# Altium PCB Computer_Board_Mockup.PcbDoc (part 3 of 5) (continued)
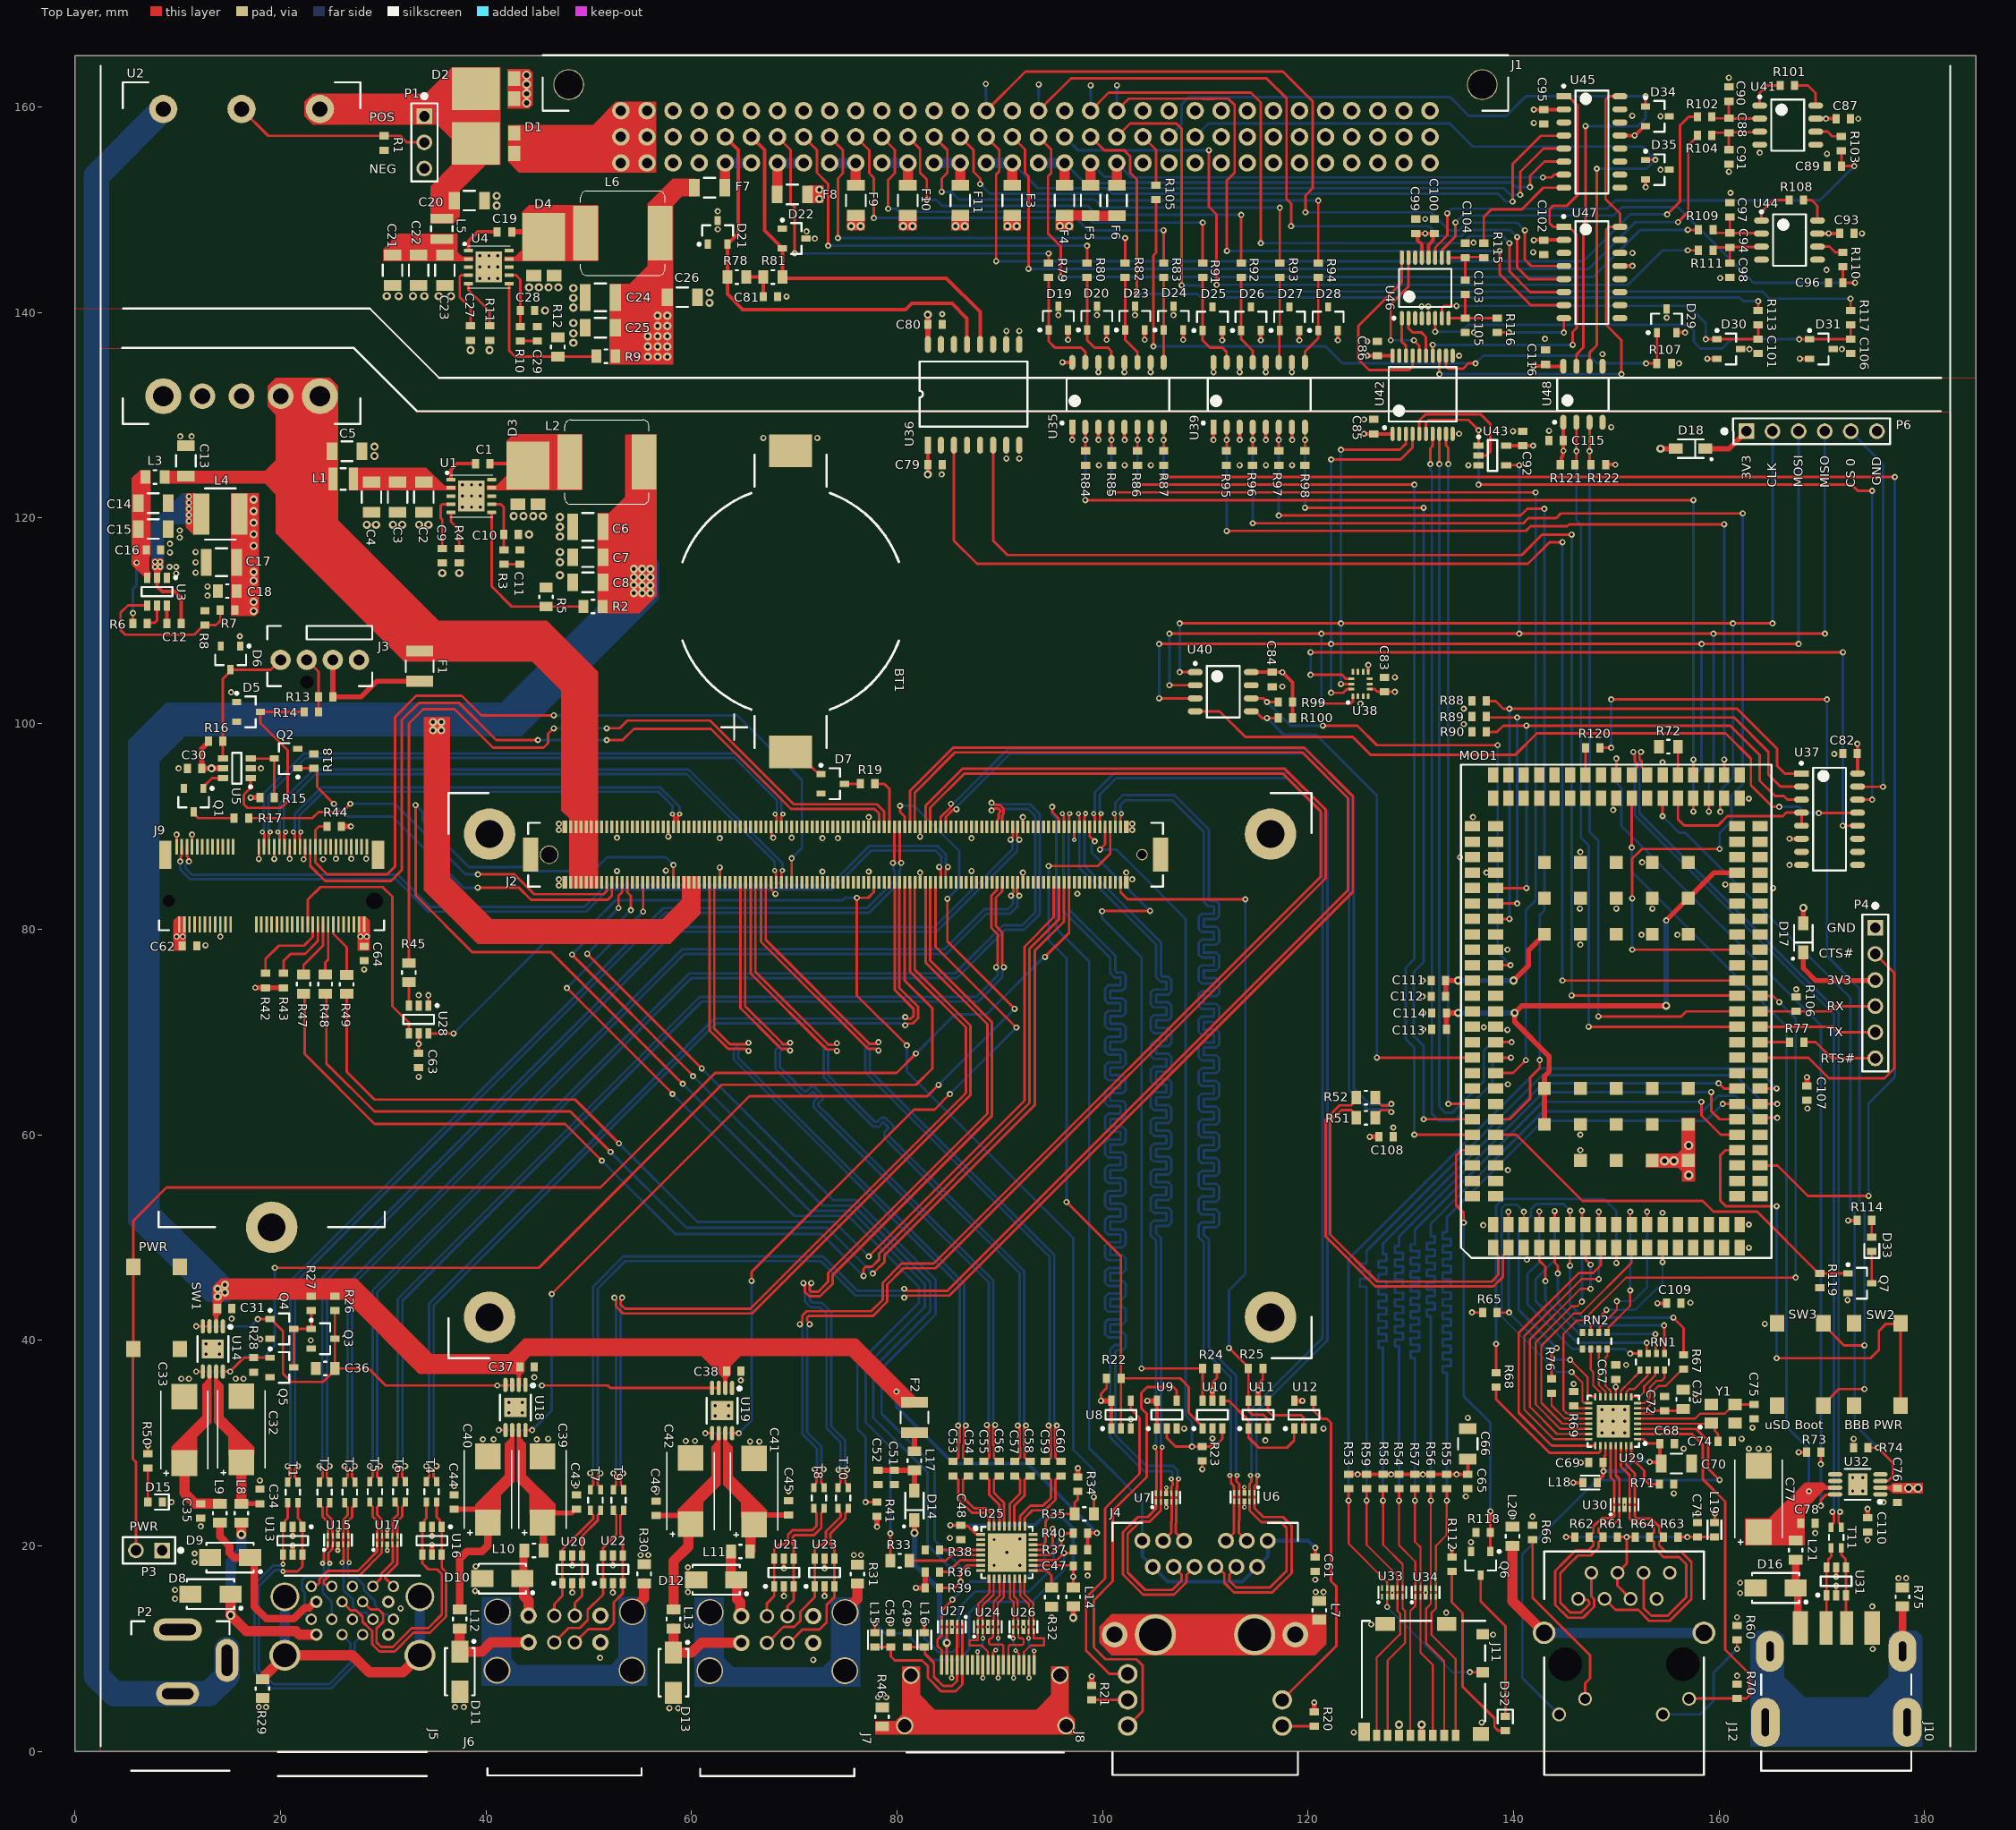
[diagram p0: Top Layer view]
## Nets (pads, with @x,y where several pads share a name; then routed paths per layer and width w, separated by ;. In a path a pad name is that pad's centre, name@x,y a point inside that pad or via, vN(x,y) a via of type N, cw(c..) or ccw(c..) an arc to the next point about the centre after c; other vN are vias at no path point) (continued)
HDMI_SCL_FILT: C50.1 J8.15 L15.2 U27.1 U27.10 | length 17.8
  Top Layer w0.25: L15.2@77.85,10.15 C50.1@79.4,10.15 79.4,9.25 79.8,8.85 82.45,8.85 83,8.3 83,7.15 84.3,5.85 85.7,5.85 86.35,6.5 J8.15@86.35,8.4 U27.10@86.35,11.7 U27.1@86.35,12.536
HDMI_SDA_EXT: L16.1 R40.2 U25.20 | length 29.3
  Top Layer w0.25: L16.1@82.65,11.55 v1(82.65,12.45) ; U25.20@93.25,19.1 94.9,19.1 96,20.2 v1(96,20.7) 96.5,21.2 97.125,21.2 R40.2@97.15,21.225
  Bottom Layer w0.25: v1(82.65,12.45) 82.65,11 84,9.65 85.45,9.65 86,10.2 86,13.95 87.6,15.55 92.85,15.55 95.25,17.95 95.25,19.95 v1(96,20.7)
HDMI_SDA_FILT: C49.1 J8.16 L16.2 U27.2 U27.9 | length 13.5
  Top Layer w0.25: C49.1@81,10.15 L16.2@82.65,10.15 82.729,10.071 82.729,9.471 83.6,8.6 83.6,7.25 84.5,6.35 85.35,6.35 85.85,6.85 J8.16@85.85,8.4 U27.9@85.85,11.7 U27.2@85.85,12.536
HDMIX_CTRLCLK: J2.B98 R39.2 U25.7 | length 96.1
  Top Layer w0.25: v1(49.85,77.6) v1(61,66.45) ; J2.B98@53.75,84.55 53.75,83.6 54.1,83.25 v1(54.1,81.85) ; R39.2@84.15,15.9 85.6,15.9 v1(86.2,16.5) 86.2,17.5 86.8,18.1 U25.7@88.15,18.1
  Bottom Layer w0.25: v1(49.85,77.6) v1(54.1,81.85) ; v1(61,66.45) 73.8,53.65 76,53.65 83.75,45.9 83.75,42.5 78.5,37.25 78.5,32.85 83.65,27.7 83.65,20.55 86.2,18 v1(86.2,16.5)
HDMIX_CTRLDATA: J2.B99 R36.2 U25.6 | length 95
  Top Layer w0.25: v1(48.375,77.525) 60.15,65.75 v1(60.15,65.7) ; v1(52.9,82.05) 52.9,83.25 53.25,83.6 J2.B99@53.25,84.55 ; R36.2@84.15,17.45 85,17.45 v1(85.3,17.75) 86.15,18.6 U25.6@88.15,18.6
  Bottom Layer w0.25: v1(48.375,77.525) v1(52.9,82.05) ; v1(60.15,65.7) 72.75,53.1 75.8,53.1 83.25,45.65 83.25,42.85 77.7,37.3 77.7,32.45 82.95,27.2 82.95,20.1 v1(85.3,17.75)
HDMIX_HPD: J2.B89 R33.1 | length 135.1
  Top Layer w0.25: v1(33.15,92.065) 33.15,83.3 38.7,77.75 46.35,77.75 v1(59.15,64.95) ; J2.B89@58.25,84.55 v1(58.25,86.25) ; R33.1@79.35,18.55 v1(79.35,21.2)
  Bottom Layer w0.25: v1(33.15,92.065) 33.85,91.365 33.85,90.55 38.35,86.05 44,86.05 44.4,85.65 50.45,85.65 51.8,87 57.5,87 v1(58.25,86.25) ; v1(59.15,64.95) 70.3,53.8 71.5,52.6 75.55,52.6 82.7,45.45 82.7,43.25 76.95,37.5 76.95,32 79.35,29.6 v1(79.35,21.2)
I2C_SCL_EXT: D35.1 J1.B23 U48.6 | length 73.3
  Top Layer w0.25: U48.6@147.385,134.775 147.385,136.085 148.1,136.8 v1(148.1,154) ; D35.1@152.85,154.85 152.855,154.855 153.795,154.855 v1(153.8,154.859)
  Bottom Layer w0.25: J1.B23@109.01,157.1 110.31,158.4 133.8,158.4 136.05,156.15 152.509,156.15 v1(153.8,154.859) 152.941,154 v1(148.1,154)
I2C_SDA_EXT: D34.1 J1.B22 U48.7 | length 83.7
  Top Layer w0.25: U48.7@146.115,134.775 146.115,135.915 146.8,136.6 146.8,148.65 147,148.85 v1(147,158.15) ; D34.1@152.85,160.05 v1(152.85,161.05)
  Bottom Layer w0.25: J1.B22@106.47,157.1 107.7,158.33 107.7,160.25 108.4,160.95 133.85,160.95 135.65,159.15 139.3,159.15 141.2,161.05 v1(152.85,161.05) 152.85,158.9 152.1,158.15 v1(147,158.15)
IMU_C\S\: U37.12 U38.12 | length 76.5
  Top Layer w0.25: v1(120.25,104.75) 123.3,104.75 123.7,104.35 U38.12@124.211,104.35 ; v1(120.25,106.95) v1(172.05,106.95) ; v1(172.035,90.065) U37.12@173.475,90.065
  Bottom Layer w0.25: v1(120.25,104.75) v1(120.25,106.95) ; v1(172.035,90.065) v1@172.035,106.95
LD_CELL_A_GND: J1.A15 J13.2 U47.4 | length 76.9
  Top Layer w0.25: J1.A15@88.69,159.64 92.5,163.45 117.55,163.45 120.45,160.55 120.45,152.1 119.75,151.4 v1(119.75,149.75) ; v1(141.1,148) 141.1,145.15 141.72,144.53 U47.4@144.9,144.53
  Bottom Layer w0.25: J13.2@88.65,161.25 88.67,161.23 88.67,159.66 J1.A15@88.69,159.64 ; v1(119.75,149.75) 132,149.75 133.75,148 134.7,148 135.45,148.75 140.35,148.75 v1(141.1,148)
LD_CELL_A_PWR: F3.1 J1.C15 J1.C16 U45.4 | length 64.7
  Top Layer w0.25: v1(139.9,150.8) 139.9,154.45 142.65,157.2 144.87,157.2 U45.4@144.901,157.23
  Top Layer w1: F3.1@91.2,152.4 91.215,152.415 91.215,154.545 J1.C16@91.23,154.56
  Bottom Layer w0.25: J1.C16@91.23,154.56 93.69,152.1 100.4,152.1 100.95,151.55 138.5,151.55 139.25,150.8 v1(139.9,150.8)
  Bottom Layer w1: J1.C15@88.69,154.56 J1.C16@91.23,154.56
LD_CELL_A_REF: J1.B15 R102.2 | length 91.2
  Top Layer w0.25: J1.B15@88.69,157.1 89.95,155.84 89.95,153.75 89.65,153.45 v1(89.65,145) ; v1(154.95,149.55) 156.2,150.8 156.2,158.2 157.05,159.05 R102.2@157.9,159.05
  Bottom Layer w0.25: v1(89.65,145) 146.8,145 151.35,149.55 v1(154.95,149.55)
LD_CELL_A_SIG: C89.1 R103.1 U46.11 | length 49
  Top Layer w0.25: U46.11@132.375,145.35 132.375,146.325 133.55,147.5 v1(133.55,149.65) ; R103.1@171.9,155.75 C89.1@171.9,154.25 v1(173.15,154.25)
  Bottom Layer w0.25: v1(133.55,149.65) 134,150.1 149.1,150.1 149.9,150.9 169.8,150.9 v1(173.15,154.25)
LD_CELL_A_SNS: J1.B16 R104.2 | length 87.8
  Top Layer w0.25: J1.B16@91.23,157.1 92.45,155.88 92.45,153.6 92.8,153.25 v1(92.8,144.25) ; v1(156,148.8) 157,149.8 157,156.25 157.9,157.15 R104.2@157.9,157.25
  Bottom Layer w0.25: v1(92.8,144.25) 147.3,144.25 151.85,148.8 v1(156,148.8)
LD_CELL_B_GND: J1.A17 J14.2 U47.5 | length 71.4
  Top Layer w0.25: J1.A17@93.77,159.64 96.93,162.8 115.95,162.8 117.9,160.85 117.9,151.05 118.35,150.6 v1(118.35,148.4) ; v1(140.35,147.35) 140.35,144.4 141.49,143.26 U47.5@144.9,143.26
  Bottom Layer w0.25: J1.A17@93.77,159.64 93.785,159.655 93.785,161.185 J14.2@93.8,161.2 ; v1(118.35,148.4) 131.8,148.4 132.75,147.45 134.95,147.45 135.55,148.05 139.65,148.05 v1(140.35,147.35)
LD_CELL_B_PWR: F4.1 J1.C17 J1.C18 U45.5 | length 57.8
  Top Layer w0.25: v1(140.65,151.45) 140.65,153.7 142.91,155.96 U45.5@144.901,155.96
  Top Layer w1: F4.1@96.3,152.4 96.305,152.405 96.305,154.555 J1.C18@96.31,154.56
  Bottom Layer w0.25: J1.C18@96.31,154.56 98.27,152.6 100.7,152.6 101.2,152.1 139.05,152.1 139.7,151.45 v1(140.65,151.45)
  Bottom Layer w1: J1.C17@93.77,154.56 J1.C18@96.31,154.56
LD_CELL_B_REF: J1.B17 R109.2 | length 78.8
  Top Layer w0.25: J1.B17@93.77,157.1 95,155.87 95,153.55 94.7,153.25 94.7,147.7 95.95,146.45 v1(95.95,143.45) ; v1(156.95,148.05) R109.2@158,148.05
  Bottom Layer w0.25: v1(95.95,143.45) 147.75,143.45 152.35,148.05 v1(156.95,148.05)
LD_CELL_B_SIG: C96.1 R110.1 U46.10 | length 49.2
  Top Layer w0.25: U46.10@133.025,145.35 133.054,145.379 133.054,146.104 134.35,147.4 v1(134.35,148.75) ; R110.1@172.05,144.45 C96.1@172.05,142.9 v1(173.236,142.9)
  Bottom Layer w0.25: v1(134.35,148.75) 135.05,149.45 149.75,149.45 150.55,150.25 156,150.25 163.35,142.9 v1(173.236,142.9)
LD_CELL_B_SNS: J1.B18 R111.2 | length 76.3
  Top Layer w0.25: v1(110.35,155.8) 110.35,150.3 111.1,149.55 v1(111.1,142.7) ; v1(156.95,146.05) R111.2@158,146.05
  Bottom Layer w0.25: J1.B18@96.31,157.1 97.61,155.8 v1(110.35,155.8) ; v1(111.1,142.7) 151.15,142.7 154.5,146.05 v1(156.95,146.05)
LIMIT_1: J1.B7 R79.2 | length 37.7
  Top Layer w0.25: J1.B7@68.37,157.1 69.65,155.82 69.65,150.65 70.05,150.25 v1(70.05,145.757) v1@70.066,145.741 ; R79.2@94.75,144.8 v1(94.75,145.75)
  Bottom Layer w0.25: v1@70.05,145.75 v1(94.75,145.75)
LIMIT_2: J1.B8 R80.2 | length 38.5
  Top Layer w0.25: J1.B8@70.91,157.1 72.2,155.81 72.2,153.6 73.3,152.5 v1(73.3,146.5) ; R80.2@98.5,144.8 v1(98.5,146.5)
  Bottom Layer w0.25: v1(73.3,146.5) v1(98.5,146.5)
LIMIT_3: J1.B9 R82.2 | length 41
  Top Layer w0.25: J1.B9@73.45,157.1 74.75,155.8 74.75,153.55 74.25,153.05 v1(74.25,147.25) ; R82.2@102.2,144.8 v1(102.2,147.25)
  Bottom Layer w0.25: v1(74.25,147.25) v1(102.2,147.25)
LIMIT_4: J1.B10 R83.2 | length 40.5
  Top Layer w0.25: J1.B10@75.99,157.1 77.3,155.79 77.3,153.55 77.75,153.1 v1(77.75,149.2) ; R83.2@105.95,144.8 v1(105.95,148)
  Bottom Layer w0.25: v1(77.75,149.2) 97.4,149.2 98.6,148 v1(105.95,148)
LIMIT_5: J1.B11 R91.2 | length 42.9
  Top Layer w0.25: J1.B11@78.53,157.1 79.8,155.83 79.8,153.55 79.15,152.9 v1(79.15,150.1) ; R91.2@109.75,144.8 v1(109.75,148.75)
  Bottom Layer w0.25: v1(79.15,150.1) 79.9,150.1 80.2,149.8 98,149.8 99.05,148.75 v1(109.75,148.75)
LIMIT_6: J1.B12 R92.2 | length 42.8
  Top Layer w0.25: J1.B12@81.07,157.1 82.245,155.925 82.245,153.605 82.9,152.95 v1(82.9,150.95) ; R92.2@113.5,144.8 v1(113.5,149.5)
  Bottom Layer w0.25: v1(82.9,150.95) 83.85,150.95 84.4,150.4 98.55,150.4 99.45,149.5 v1(113.5,149.5)
LIMIT_7: J1.B13 R93.2 | length 45.1
  Top Layer w0.25: J1.B13@83.61,157.1 84.9,155.81 84.9,153.6 84.35,153.05 v1(84.35,151.75) ; R93.2@117.25,144.8 v1(117.25,150.2)
  Bottom Layer w0.25: v1(84.35,151.75) 85.25,151.75 86,151 99.25,151 100.05,150.2 v1(117.25,150.2)
LIMIT_8: J1.B14 R94.2 | length 45.1
  Top Layer w0.25: J1.B14@86.15,157.1 87.45,155.8 87.45,153.7 88.1,153.05 v1(88.1,152.5) ; R94.2@121,144.8 v1(121,150.9)
  Bottom Layer w0.25: v1(88.1,152.5) 89.05,151.55 99.95,151.55 100.45,151.05 100.45,150.996 100.546,150.9 v1(121,150.9)
LIMIT_SIG_1: MOD1.37 R87.2 U35.8 | length 159.8
  Top Layer w0.25: v1(105.945,124) v1(177.1,124) ; U35.8@105.945,128.85 v1(105.945,127.6) 105.945,126.555 R87.2@105.95,126.55 ; MOD1.37@164,57 165.7,57 168.65,54.05 v1@174.556,54.05
  Bottom Layer w0.25: v1(105.945,124) v1(105.945,127.6) ; v1(174.55,54.05) 174.55,63.05 177.1,65.6 v1(177.1,124)
LIMIT_SIG_2: MOD1.139 R86.2 U35.6 | length 103.2
  Top Layer w0.25: R86.2@103.4,126.55 103.405,126.555 v1(103.405,127.6) U35.6@103.405,128.85 ; v1(103.405,123.25) v1(130.35,123.25) ; v1(130.35,60) MOD1.139@136,60
  Bottom Layer w0.25: v1(103.405,123.25) v1(103.405,127.6) ; v1(130.35,60) 130.35,68.45 129.5,69.3 129.5,76.25 130.35,77.1 v1(130.35,123.25)
LIMIT_SIG_3: MOD1.160 R85.2 U35.4 | length 107.8
  Top Layer w0.25: v1(100.865,122.5) v1(142.15,122.5) ; U35.4@100.865,128.85 v1(100.865,127.6) 100.865,126.585 R85.2@100.9,126.55 ; MOD1.160@138.25,66 139.95,66 140.6,66.65 v1(141.2,67.25)
  Bottom Layer w0.25: v1(100.865,122.5) v1(100.865,127.6) ; v1(141.2,67.25) 141.2,81.85 142.15,82.8 v1(142.15,122.5)
LIMIT_SIG_4: MOD1.88 R84.2 U35.2 | length 94.1
  Top Layer w0.25: v1(98.325,121.75) v1(157.5,121.75) ; U35.2@98.325,128.85 v1(98.325,127.6) 98.325,126.575 R84.2@98.35,126.55 ; MOD1.88@157.5,95 v1(157.5,96.5)
  Bottom Layer w0.25: v1(98.325,121.75) v1(98.325,127.6) ; v1(157.5,96.5) v1(157.5,121.75)
LIMIT_SIG_5: MOD1.86 R95.2 U39.2 | length 84.3
  Top Layer w0.25: v1(112.078,118.75) 141.2,118.75 141.65,119.2 145.2,119.2 145.4,119.4 v1(160.5,119.4) ; U39.2@112.078,128.853 v1(112.078,127.603) 112.078,126.578 R95.2@112.103,126.553 ; MOD1.86@160.5,95 v1(160.5,96.5)
  Bottom Layer w0.25: v1(112.078,118.75) v1(112.078,127.603) ; v1(160.5,96.5) v1(160.5,119.4)
LIMIT_SIG_6: MOD1.76 R96.2 U39.4 | length 120
  Top Layer w0.25: v1(114.618,119.5) 140.95,119.5 141.45,120 144.15,120 144.6,120.45 v1(162.3,120.45) ; U39.4@114.618,128.853 v1(114.618,127.603) 114.618,126.588 R96.2@114.653,126.553 ; v1(151.55,78) MOD1.76@161.75,78 ; v1(151.55,83) 151.55,86.85 152.5,87.8 v1(160.05,87.8)
  Bottom Layer w0.25: v1(114.618,119.5) v1(114.618,127.603) ; v1(151.55,78) v1(151.55,83) ; v1(160.05,87.8) 160.05,89.35 161.2,90.5 161.2,93 162.3,94.1 v1(162.3,120.45)
LIMIT_SIG_7: MOD1.163 R97.2 U39.6 | length 97.9
  Top Layer w0.25: R97.2@117.153,126.553 117.158,126.558 v1(117.158,127.603) U39.6@117.158,128.853 ; v1(117.158,120.25) 140.7,120.25 141.35,120.9 v1(143,120.9) ; MOD1.163@138.25,61.5 139.6,61.5 141.6,63.5 141.6,65.55 142.543,66.493 v1(142.543,67.264)
  Bottom Layer w0.25: v1(117.158,120.25) v1(117.158,127.603) ; v1(142.543,67.264) 142.55,67.271 142.55,81.35 143,81.8 v1(143,120.9)
LIMIT_SIG_8: MOD1.138 R98.2 U39.8 | length 85.5
  Top Layer w0.25: v1(119.698,121) v1(131.25,121) ; U39.8@119.698,128.853 v1(119.698,127.603) 119.698,126.558 R98.2@119.703,126.553 ; v1(131.25,61.5) MOD1.138@136,61.5
  Bottom Layer w0.25: v1(119.698,121) v1(119.698,127.603) ; v1(131.25,61.5) 131.25,68.65 130.3,69.6 130.3,75.85 131.25,76.8 v1(131.25,121)
LINK100#: J2.A4 R22.2 U8.2 U10.1 | length 78.3
  Top Layer w0.25: v1(94.75,86.15) 99.55,86.15 100.75,87.35 J2.A4@100.75,89.95 ; v1(96.5,53.45) 101.8,48.15 R22.2@101.8,36.3 ; U8.2@101.8,31.4 R22.2@101.8,36.3 ; U10.1@109.75,31.4 109.75,31.6 108.4,32.95 108.4,35.45 107.55,36.3 R22.2@101.8,36.3
  Bottom Layer w0.25: v1(94.75,86.15) 94.75,78.9 96.5,77.15 v1(96.5,53.45)
LINK1000#: J2.A5 R23.2 U9.2 U10.3 | length 73.1
  Top Layer w0.25: v1(99.75,87.75) 100.25,88.25 J2.A5@100.25,89.95 ; U9.2@106.25,31.4 106.25,30.5 107.1,29.65 v1(108.7,29.65) R23.2@109.7,29.65 110.9,29.65 111.65,30.4 U10.3@111.65,31.4
  Bottom Layer w0.25: v1(99.75,87.75) 101.35,87.75 103.2,85.9 108.1,81 108.1,32.7 108.7,32.1 v1(108.7,29.65)
LINK#: J2.A8 R24.2 U10.6 | length 70.7
  Top Layer w0.25: J2.A8@98.75,89.95 98.75,89.05 v1(99.25,88.55) ; v1(99.95,81.75) 99.963,81.763 104.613,81.763 v1(104.625,81.775) ; v1(103.8,37.25) R24.2@109.75,37.25 U10.6@109.75,34.1
  Bottom Layer w0.25: v1(99.25,88.55) 98.95,88.25 98.95,87.45 v1(104.625,81.775) ; v1(99.95,81.75) 99.95,81.1 103.8,77.25 v1(103.8,37.25)
MDI0_N: J2.A12 J4.10 U7.5 U7.6 | length 117
  Top Layer w0.25: J2.A12@96.75,89.95 96.75,91.023 96.752,91.025 96.752,91.202 v3(96.8,91.25) ; U7.5@107.175,24.257 107.175,22.223 107.14,22.188 107.14,21.28 J4.10@107.93,20.49 ; U7.5@107.175,24.307 U7.6@107.175,24.96 ; U7.6@107.175,25.143 U7.6@107.2,25.118 107.2,25.592 107.275,25.667 107.275,26.191 107.352,26.268 107.352,26.452 v3(107.4,26.5)
  Bottom Layer w0.25: v3(96.8,91.25) 96.752,91.202 96.752,91.018 96.7,90.966 96.7,81.957 101.25,77.407 101.25,76.204 101.25,75.932 101.396,75.786 101.957,75.786 102.25,75.493 102.25,74.329 101.957,74.036 100.75,74.036 100.75,73.286 101.957,73.286 102.25,72.993 102.25,71.829 101.957,71.536 100.75,71.536 100.75,70.786 101.957,70.786 102.25,70.493 102.25,69.329 101.957,69.036 100.75,69.036 100.75,68.286 101.957,68.286 102.25,67.993 102.25,66.829 101.957,66.536 100.75,66.536 100.75,65.786 101.957,65.786 102.25,65.493 102.25,64.329 101.957,64.036 100.75,64.036 100.75,63.286 101.957,63.286 102.25,62.993 102.25,61.829 101.957,61.536 100.75,61.536 100.75,60.786 101.957,60.786 102.25,60.493 102.25,59.329 101.957,59.036 100.75,59.036 100.75,58.286 101.957,58.286 102.25,57.993 102.25,56.829 101.957,56.536 100.75,56.536 100.75,55.786 101.957,55.786 102.25,55.493 102.25,54.329 101.957,54.036 100.75,54.036 100.75,53.286 101.957,53.286 102.25,52.993 102.25,51.829 101.957,51.536 100.75,51.536 100.75,50.786 101.957,50.786 102.25,50.493 102.25,49.329 101.957,49.036 100.75,49.036 100.75,48.286 101.957,48.286 102.25,47.993 102.25,46.829 101.957,46.536 100.75,46.536 100.75,45.786 101.957,45.786 102.25,45.493 102.25,44.329 101.957,44.036 100.75,44.036 100.75,43.286 101.957,43.286 102.25,42.993 102.25,41.829 101.957,41.536 100.75,41.536 100.75,40.786 101.957,40.786 102.25,40.493 102.25,39.329 101.957,39.036 101.396,39.036 101.25,38.889 101.25,38 101.25,30.75 102.95,29.05 104.229,27.771 106.861,27.771 107.3,27.332 107.3,26.784 107.352,26.732 107.352,26.548 v3(107.4,26.5)
MDI0_P: J2.A13 J4.11 U7.4 U7.7 | length 117.3
  Top Layer w0.25: v3(96.1,91.25) 96.1,91.182 96.25,91.032 J2.A13@96.25,89.95 ; J4.11@105.9,20.49 106.69,21.28 106.69,22.375 106.725,22.41 U7.4@106.725,24.257 ; v3(106.7,26.5) 106.748,26.452 106.748,26.268 106.825,26.191 106.825,25.853 106.7,25.728 U7.7@106.7,25.118 ; U7.4@106.725,24.307 106.725,25.093 U7.7@106.7,25.118 ; U7.7@106.725,25.143 U7.7@106.7,25.118
  Bottom Layer w0.25: v3(96.1,91.25) 96.148,91.202 96.148,91.018 96.2,90.966 96.2,81.75 100.75,77.2 100.75,76.204 100.75,75.725 101.189,75.286 101.75,75.286 101.75,74.536 100.543,74.536 100.25,74.243 100.25,73.079 100.543,72.786 101.75,72.786 101.75,72.036 100.543,72.036 100.25,71.743 100.25,70.579 100.543,70.286 101.75,70.286 101.75,69.536 100.543,69.536 100.25,69.243 100.25,68.079 100.543,67.786 101.75,67.786 101.75,67.036 100.543,67.036 100.25,66.743 100.25,65.579 100.543,65.286 101.75,65.286 101.75,64.536 100.543,64.536 100.25,64.243 100.25,63.079 100.543,62.786 101.75,62.786 101.75,62.036 100.543,62.036 100.25,61.743 100.25,60.579 100.543,60.286 101.75,60.286 101.75,59.536 100.543,59.536 100.25,59.243 100.25,58.079 100.543,57.786 101.75,57.786 101.75,57.036 100.543,57.036 100.25,56.743 100.25,55.579 100.543,55.286 101.75,55.286 101.75,54.536 100.543,54.536 100.25,54.243 100.25,53.079 100.543,52.786 101.75,52.786 101.75,52.036 100.543,52.036 100.25,51.743 100.25,50.579 100.543,50.286 101.75,50.286 101.75,49.536 100.543,49.536 100.25,49.243 100.25,48.079 100.543,47.786 101.75,47.786 101.75,47.036 100.543,47.036 100.25,46.743 100.25,45.579 100.543,45.286 101.75,45.286 101.75,44.536 100.543,44.536 100.25,44.243 100.25,43.079 100.543,42.786 101.75,42.786 101.75,42.036 100.543,42.036 100.25,41.743 100.25,40.579 100.543,40.286 101.75,40.286 101.75,39.536 101.189,39.536 100.75,39.096 100.75,38 100.75,30.543 102.42,28.873 104.021,27.271 106.654,27.271 106.8,27.125 106.8,26.784 106.748,26.732 106.748,26.548 v3(106.7,26.5)
MDI1_N: J2.A9 J4.5 U7.2 U7.9 | length 114.5
  Top Layer w0.25: J2.A9@98.25,89.95 98.25,90.966 98.311,91.027 98.311,91.207 v3(98.359,91.255) ; U7.2@105.675,24.257 105.675,23.438 104.587,22.35 103.636,22.35 102.45,21.164 102.45,17.4 104.15,15.7 106.774,15.7 107.71,16.636 107.71,17.16 J4.5@106.92,17.95 ; U7.2@105.675,24.307 105.675,25.093 U7.9@105.7,25.118 105.7,27.26 105.7,29.316 105.752,29.368 105.752,29.552 v3(105.8,29.6)
  Bottom Layer w0.25: v3(98.359,91.255) 98.311,91.207 98.311,91.027 98.25,90.966 98.25,86.157 105.7,78.707 105.7,75.8 105.7,75.529 105.846,75.382 106.407,75.382 106.7,75.089 106.7,73.925 106.407,73.632 105.2,73.632 105.2,72.882 106.407,72.882 106.7,72.589 106.7,71.425 106.407,71.132 105.2,71.132 105.2,70.382 106.407,70.382 106.7,70.089 106.7,68.925 106.407,68.632 105.2,68.632 105.2,67.882 106.407,67.882 106.7,67.589 106.7,66.425 106.407,66.132 105.2,66.132 105.2,65.382 106.407,65.382 106.7,65.089 106.7,63.925 106.407,63.632 105.2,63.632 105.2,62.882 106.407,62.882 106.7,62.589 106.7,61.425 106.407,61.132 105.2,61.132 105.2,60.382 106.407,60.382 106.7,60.089 106.7,58.925 106.407,58.632 105.2,58.632 105.2,57.882 106.407,57.882 106.7,57.589 106.7,56.425 106.407,56.132 105.2,56.132 105.2,55.382 106.407,55.382 106.7,55.089 106.7,53.925 106.407,53.632 105.2,53.632 105.2,52.882 106.407,52.882 106.7,52.589 106.7,51.425 106.407,51.132 105.2,51.132 105.2,50.382 105.261,50.382 105.7,49.943 105.7,49.396 105.7,29.884 105.752,29.832 105.752,29.648 v3(105.8,29.6)
MDI1_P: J2.A10 J4.4 U7.1 U7.10 | length 116
  Top Layer w0.25: v3(97.65,91.25) 97.698,91.202 97.698,91.018 97.75,90.966 J2.A10@97.75,89.95 ; v3(105.1,29.6) 105.148,29.552 105.148,29.368 105.25,29.266 105.25,25.409 105.225,25.384 105.225,25.143 U7.10@105.2,25.118 105.225,25.093 U7.1@105.225,24.307 ; U7.1@105.225,24.257 105.225,23.624 104.401,22.8 103.45,22.8 103.186,22.536 102,21.35 102,17.214 103.484,15.73 103.964,15.25 106.96,15.25 108.16,16.45 108.16,17.16 J4.4@108.95,17.95
  Bottom Layer w0.25: v3(97.65,91.25) 97.698,91.202 97.698,91.031 97.75,90.979 97.75,85.95 105.2,78.5 105.2,75.8 105.2,75.321 105.639,74.882 106.2,74.882 106.2,74.132 104.993,74.132 104.7,73.839 104.7,72.675 104.993,72.382 106.2,72.382 106.2,71.632 104.993,71.632 104.7,71.339 104.7,70.175 104.993,69.882 106.2,69.882 106.2,69.132 104.993,69.132 104.7,68.839 104.7,67.675 104.993,67.382 106.2,67.382 106.2,66.632 104.993,66.632 104.7,66.339 104.7,65.175 104.993,64.882 106.2,64.882 106.2,64.132 104.993,64.132 104.7,63.839 104.7,62.675 104.993,62.382 106.2,62.382 106.2,61.632 104.993,61.632 104.7,61.339 104.7,60.175 104.993,59.882 106.2,59.882 106.2,59.132 104.993,59.132 104.7,58.839 104.7,57.675 104.993,57.382 106.2,57.382 106.2,56.632 104.993,56.632 104.7,56.339 104.7,55.175 104.993,54.882 106.2,54.882 106.2,54.132 104.993,54.132 104.7,53.839 104.7,52.675 104.993,52.382 106.2,52.382 106.2,51.632 104.993,51.632 104.7,51.339 104.7,50.175 104.993,49.882 105.054,49.882 105.2,49.736 105.2,49.396 105.2,29.884 105.148,29.832 105.148,29.648 v3(105.1,29.6)
MDI2_N: J2.A6 J4.2 U6.2 U6.9 | length 114.4
  Top Layer w0.25: J2.A6@99.75,89.95 99.75,90.97 99.802,91.022 99.802,91.202 v3(99.85,91.25) ; J4.2@113.02,17.95 113.02,17.871 112.35,17.201 112.35,16.6 113,15.95 116.3,15.95 117.9,17.55 117.9,21.75 117.35,22.3 115.443,22.3 114.3,23.443 U6.9@114.3,24.314 U6.2@114.3,25.15 114.3,26.021 114.499,26.22 114.499,26.567 114.439,26.627 114.439,26.797 v3(114.391,26.845)
  Bottom Layer w0.25: v3(99.85,91.25) 99.802,91.298 99.802,91.468 99.742,91.528 99.742,93.092 101.35,94.7 117.95,94.7 121.4,91.25 121.4,40.207 114.492,33.299 114.492,27.126 114.439,27.073 114.439,26.893 v3(114.391,26.845)
MDI2_P: J2.A7 J4.3 U6.1 U6.10 | length 117.9
  Top Layer w0.25: v3(99.141,91.245) 99.189,91.197 99.189,91.027 99.25,90.966 J2.A7@99.25,89.95 ; J4.3@110.99,17.95 111.181,17.95 111.85,17.281 111.85,16.393 112.793,15.45 116.507,15.45 118.4,17.343 118.4,21.957 117.557,22.8 115.65,22.8 115.55,22.9 114.8,23.65 U6.10@114.8,24.314 U6.1@114.8,25.15 114.8,25.814 114.999,26.013 114.999,26.569 115.052,26.622 115.052,26.802 v3(115.1,26.85)
  Bottom Layer w0.25: v3(99.141,91.245) 99.189,91.293 99.189,91.473 99.242,91.526 99.242,93.299 101.143,95.2 118.157,95.2 121.9,91.457 121.9,40 114.992,33.092 114.992,27.128 115.052,27.068 115.052,26.898 v3(115.1,26.85)
MDI3_N: J2.A2 J4.9 U6.5 U6.6 | length 116.6
  Top Layer w0.25: J2.A2@101.75,89.95 101.75,90.97 101.802,91.022 101.802,91.202 v3(101.85,91.25) ; J4.9@112.01,20.49 112.775,21.255 112.775,22.639 112.8,22.664 U6.6@112.8,24.314 U6.5@112.8,25.15 112.8,25.8 112.5,26.1 112.5,26.55 112.439,26.611 112.439,26.789 v3@112.5,26.85
  Bottom Layer w0.25: v3(101.85,91.25) 101.802,91.298 101.802,91.468 101.742,91.528 101.742,92.092 102.2,92.55 106.793,92.55 109.85,89.493 109.85,83.15 109.85,82.671 110.289,82.232 110.85,82.232 110.85,81.482 109.643,81.482 109.35,81.189 109.35,80.025 109.643,79.732 110.85,79.732 110.85,78.982 109.643,78.982 109.35,78.689 109.35,77.525 109.643,77.232 110.85,77.232 110.85,76.482 109.643,76.482 109.35,76.189 109.35,75.025 109.643,74.732 110.85,74.732 110.85,73.982 109.643,73.982 109.35,73.689 109.35,72.525 109.643,72.232 110.85,72.232 110.85,71.482 109.643,71.482 109.35,71.189 109.35,70.025 109.643,69.732 110.85,69.732 110.85,68.982 109.643,68.982 109.35,68.689 109.35,67.525 109.643,67.232 110.85,67.232 110.85,66.482 109.643,66.482 109.35,66.189 109.35,65.025 109.643,64.732 110.85,64.732 110.85,63.982 109.643,63.982 109.35,63.689 109.35,62.525 109.643,62.232 110.85,62.232 110.85,61.482 109.643,61.482 109.35,61.189 109.35,60.025 109.643,59.732 110.85,59.732 110.85,58.982 109.643,58.982 109.35,58.689 109.35,57.525 109.643,57.232 110.85,57.232 110.85,56.482 109.643,56.482 109.35,56.189 109.35,55.025 109.643,54.732 110.85,54.732 110.85,53.982 109.643,53.982 109.35,53.689 109.35,52.525 109.643,52.232 110.85,52.232 110.85,51.482 109.643,51.482 109.35,51.189 109.35,50.025 109.643,49.732 109.704,49.732 109.85,49.586 109.85,48.4 109.85,39.009 112.492,36.367 112.492,27.126 112.439,27.073 112.439,26.893 v3(112.391,26.845)
MDI3_P: J2.A3 J4.8 U6.4 U6.7 | length 118.3
  Top Layer w0.25: v3(101.141,91.245) 101.189,91.197 101.189,91.027 101.25,90.966 J2.A3@101.25,89.95 ; v3@113,26.85 113.052,26.798 113.052,26.602 113,26.55 113,26.307 113.004,26.304 113.3,26.007 U6.4@113.3,25.15 U6.7@113.3,24.314 113.3,22.457 113.275,22.432 113.275,21.255 J4.8@114.04,20.49
  Bottom Layer w0.25: v3(101.141,91.245) 101.189,91.293 101.189,91.473 101.242,91.526 101.242,92.299 101.993,93.05 107,93.05 110.35,89.7 110.35,83.15 110.35,82.879 110.496,82.732 111.057,82.732 111.35,82.439 111.35,81.275 111.057,80.982 109.85,80.982 109.85,80.232 111.057,80.232 111.35,79.939 111.35,78.775 111.057,78.482 109.85,78.482 109.85,77.732 111.057,77.732 111.35,77.439 111.35,76.275 111.057,75.982 109.85,75.982 109.85,75.232 111.057,75.232 111.35,74.939 111.35,73.775 111.057,73.482 109.85,73.482 109.85,72.732 111.057,72.732 111.35,72.439 111.35,71.275 111.057,70.982 109.85,70.982 109.85,70.232 111.057,70.232 111.35,69.939 111.35,68.775 111.057,68.482 109.85,68.482 109.85,67.732 111.057,67.732 111.35,67.439 111.35,66.275 111.057,65.982 109.85,65.982 109.85,65.232 111.057,65.232 111.35,64.939 111.35,63.775 111.057,63.482 109.85,63.482 109.85,62.732 111.057,62.732 111.35,62.439 111.35,61.275 111.057,60.982 109.85,60.982 109.85,60.232 111.057,60.232 111.35,59.939 111.35,58.775 111.057,58.482 109.85,58.482 109.85,57.732 111.057,57.732 111.35,57.439 111.35,56.275 111.057,55.982 109.85,55.982 109.85,55.232 111.057,55.232 111.35,54.939 111.35,53.775 111.057,53.482 109.85,53.482 109.85,52.732 111.057,52.732 111.35,52.439 111.35,51.275 111.057,50.982 109.85,50.982 109.85,50.232 109.911,50.232 110.35,49.793 110.35,48.4 110.35,39.216 112.992,36.574 112.992,27.128 113.052,27.068 113.052,26.898 v3(113.1,26.85)
MDIO_CLK: MOD1.20 U29.17 | length 27.4
  Top Layer w0.2: MOD1.20@141,51.25 v1(141,52.5) ; v1(145.65,36.9) 146.7,35.85 146.7,34.05 146.85,33.9 147.3,33.9 U29.17@147.325,33.875
  Bottom Layer w0.2: v1(141,52.5) 140.3,53.2 139.2,53.2 138.85,52.85 138.85,42.3 144.25,36.9 v1(145.65,36.9)
MDIO_DATA: MOD1.19 R65.2 U29.16 | length 25
  Top Layer w0.2: MOD1.19@139.5,51.25 v1(139.5,52.5) ; v1@139.55,42.7 v1(139.564,42.714) ; v1(145.506,38.094) 147.2,36.4 147.2,34.8 147.5,34.5 U29.16@147.95,34.5
  Top Layer w0.25: R65.2@138.4,42.7 v1@139.55,42.7
  Bottom Layer w0.2: v1(139.5,52.5) v1@139.532,52.468 ; v1@139.532,42.746 v1(139.564,42.714) v1@139.564,42.686
  Bottom Layer w0.25: v1@139.532,42.746 v1@139.532,52.468 ; v1@139.564,42.686 144.156,38.094 v1(145.506,38.094)
MII1_COL: MOD1.12 RN2.3 | length 12.8
  Top Layer w0.2: RN2.3@147.5,40.75 147.5,41.4 v1@149.05,42.95
  Top Layer w0.25: v1(154.5,47.607) MOD1.12@154.5,49
  Bottom Layer w0.2: v1@149.031,42.95 151.85,42.95 154.5,45.6 v1(154.5,47.607)
  other v1: 149.031,42.947